# KiCad board poly_kb_molecule_8x5.kicad_pcb (continued)
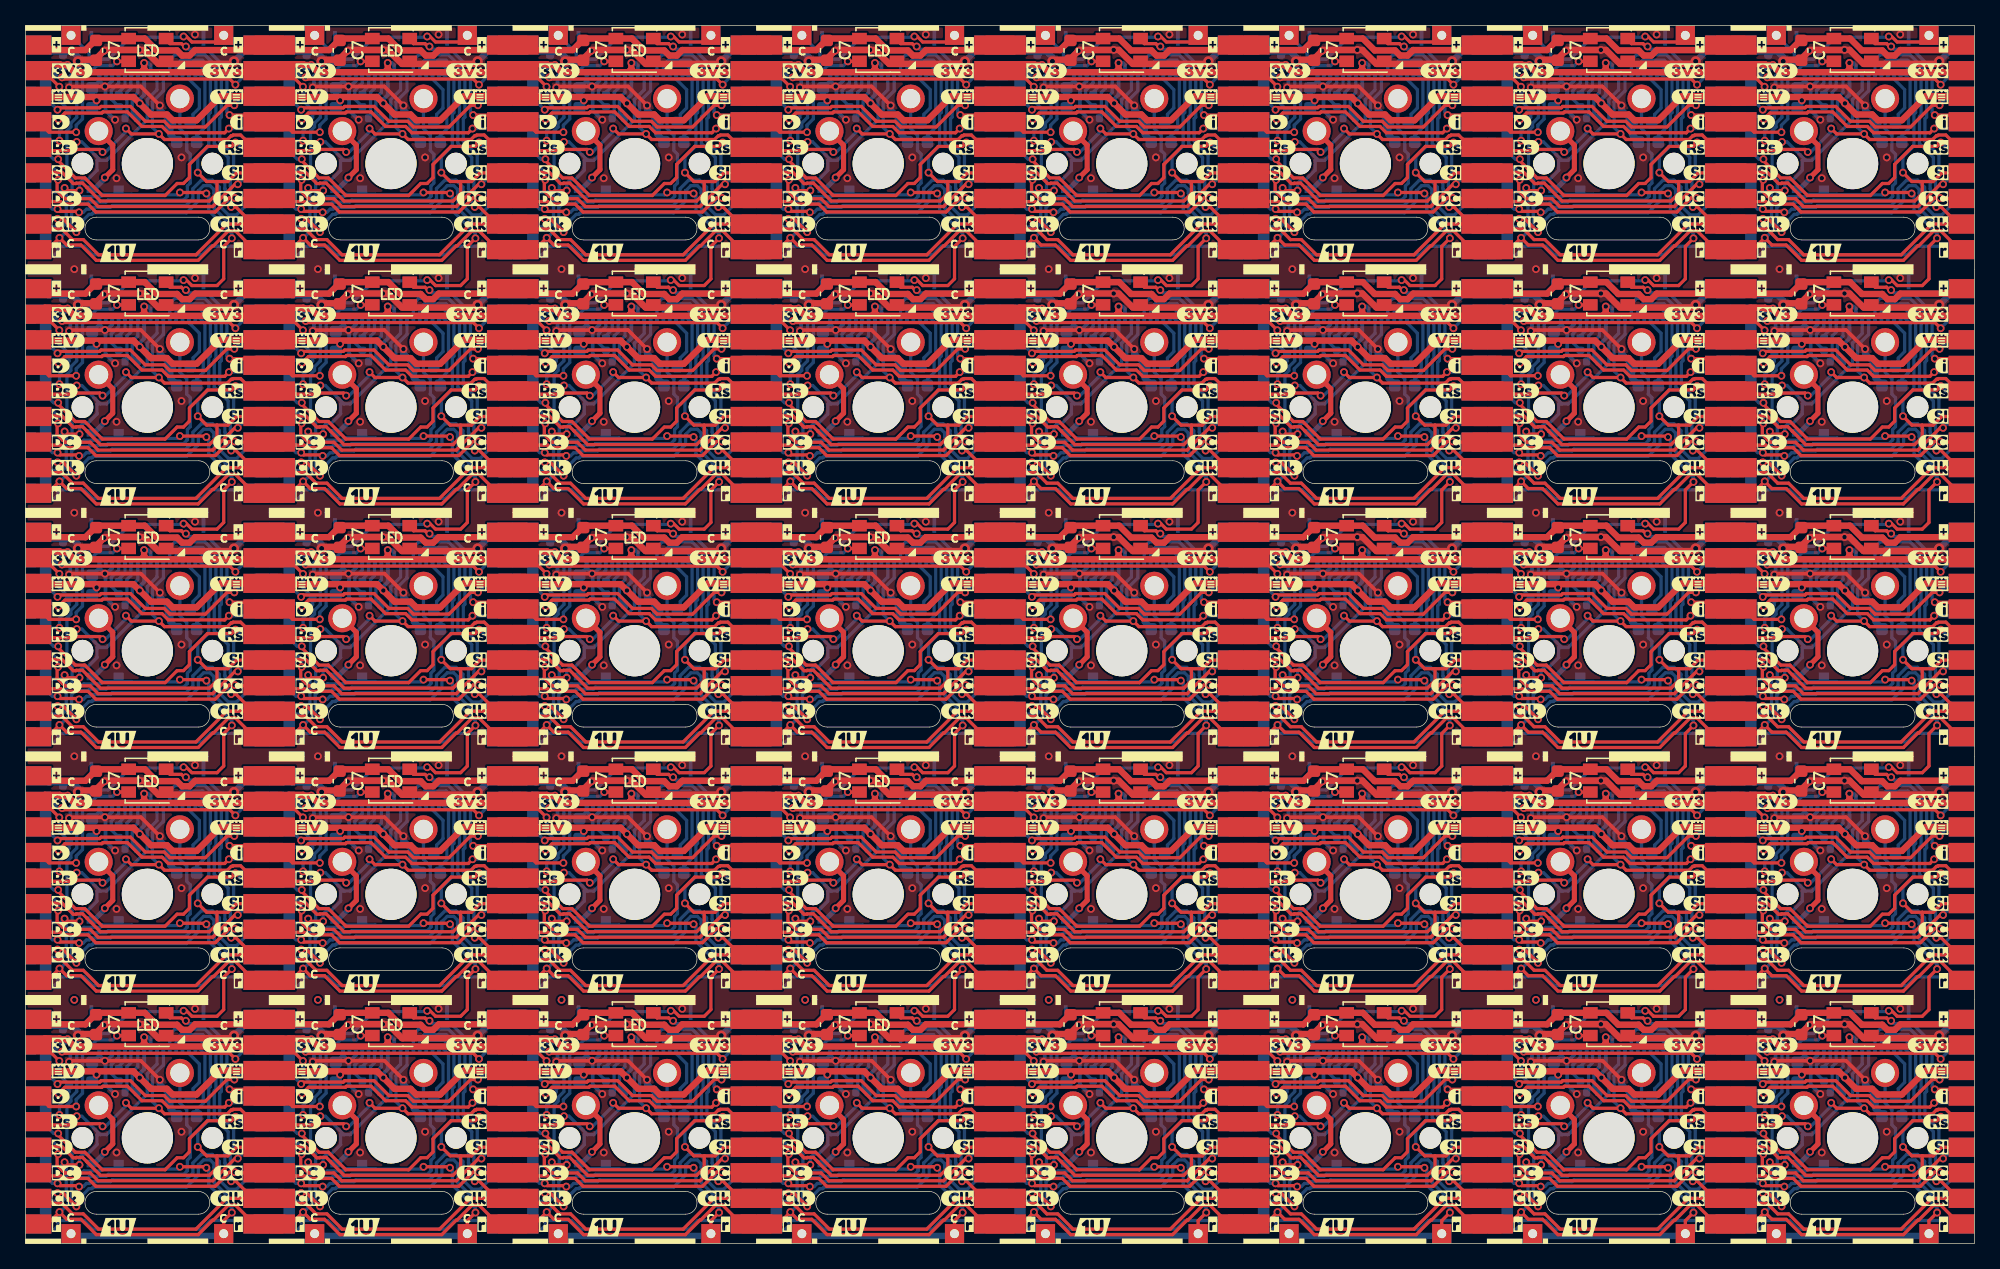
[diagram p0: board, top side]
## Routing (per net, layer and track width the routed paths; a pad name or vN(x,y) marks a point on that pad's centre or on a via; arc(x,y) is an arc through that point) (continued)
/Keyboard/sheet605ED2EB/D-C: length 1428.5
  Top w0.254: 39.37,43.62 39.61,43.38 40.84,43.38 41.04,43.18 42.98,43.18 43.59,42.57 52.93,42.57 54.03,43.67 v1(54.46,43.67) 54.51,43.62 55.88,43.62 ; 151.13,62.67 149.76,62.67 v1(149.71,62.72) 149.28,62.72 148.18,61.62 138.84,61.62 138.23,62.23 136.29,62.23 136.09,62.43 134.86,62.43 134.62,62.67 ; 39.37,24.58 39.61,24.33 40.84,24.33 41.04,24.13 42.98,24.13 43.59,23.52 52.93,23.52 54.03,24.62 v1(54.46,24.62) 54.51,24.58 55.88,24.58 ; 93.98,43.62 92.61,43.62 v1(92.56,43.67) 92.13,43.67 91.03,42.57 81.69,42.57 81.08,43.18 79.14,43.18 78.94,43.38 77.71,43.38 77.47,43.62 ; 77.47,24.58 77.71,24.33 78.94,24.33 79.14,24.13 81.08,24.13 81.69,23.52 91.03,23.52 92.13,24.62 v1(92.56,24.62) 92.61,24.58 93.98,24.58 ; 96.52,5.53 96.76,5.28 97.99,5.28 98.19,5.08 100.13,5.08 100.74,4.47 110.08,4.47 111.18,5.57 v1(111.61,5.57) 111.66,5.53 113.03,5.53 ; 151.13,81.72 149.76,81.72 v1(149.71,81.77) 149.28,81.77 148.18,80.67 138.84,80.67 138.23,81.28 136.29,81.28 136.09,81.48 134.86,81.48 134.62,81.72 ; 58.42,43.62 58.66,43.38 59.89,43.38 60.09,43.18 62.03,43.18 62.64,42.57 71.98,42.57 73.08,43.67 v1(73.51,43.67) 73.56,43.62 74.93,43.62 ; 115.57,62.67 115.81,62.43 117.04,62.43 117.24,62.23 119.18,62.23 119.79,61.62 129.13,61.62 130.23,62.72 v1(130.66,62.72) 130.71,62.67 132.08,62.67 ; 151.13,5.53 149.76,5.53 v1(149.71,5.57) 149.28,5.57 148.18,4.47 138.84,4.47 138.23,5.08 136.29,5.08 136.09,5.28 134.86,5.28 134.62,5.53 ; 20.32,24.58 20.56,24.33 21.79,24.33 21.99,24.13 23.93,24.13 24.54,23.52 33.88,23.52 34.98,24.62 v1(35.41,24.62) 35.46,24.58 36.83,24.58 ; 20.32,81.72 20.56,81.48 21.79,81.48 21.99,81.28 23.93,81.28 24.54,80.67 33.88,80.67 34.98,81.77 v1(35.41,81.77) 35.46,81.72 36.83,81.72 ; 74.93,62.67 73.56,62.67 v1(73.51,62.72) 73.08,62.72 71.98,61.62 62.64,61.62 62.03,62.23 60.09,62.23 59.89,62.43 58.66,62.43 58.42,62.67 ; 55.88,62.67 54.51,62.67 v1(54.46,62.72) 54.03,62.72 52.93,61.62 43.59,61.62 42.98,62.23 41.04,62.23 40.84,62.43 39.61,62.43 39.37,62.67 ; 58.42,81.72 58.66,81.48 59.89,81.48 60.09,81.28 62.03,81.28 62.64,80.67 71.98,80.67 73.08,81.77 v1(73.51,81.77) 73.56,81.72 74.93,81.72 ; 132.08,24.58 130.71,24.58 v1(130.66,24.62) 130.23,24.62 129.13,23.52 119.79,23.52 119.18,24.13 117.24,24.13 117.04,24.33 115.81,24.33 115.57,24.58 ; 132.08,5.53 130.71,5.53 v1(130.66,5.57) 130.23,5.57 129.13,4.47 119.79,4.47 119.18,5.08 117.24,5.08 117.04,5.28 115.81,5.28 115.57,5.53 ; 1.27,81.72 1.51,81.48 2.74,81.48 2.94,81.28 4.88,81.28 5.49,80.67 14.83,80.67 15.93,81.77 v1(16.36,81.77) 16.41,81.72 17.78,81.72 ; 17.78,24.58 16.41,24.58 v1(16.36,24.62) 15.93,24.62 14.83,23.52 5.49,23.52 4.88,24.13 2.94,24.13 2.74,24.33 1.51,24.33 1.27,24.58 ; 132.08,43.62 130.71,43.62 v1(130.66,43.67) 130.23,43.67 129.13,42.57 119.79,42.57 119.18,43.18 117.24,43.18 117.04,43.38 115.81,43.38 115.57,43.62 ; 36.83,62.67 35.46,62.67 v1(35.41,62.72) 34.98,62.72 33.88,61.62 24.54,61.62 23.93,62.23 21.99,62.23 21.79,62.43 20.56,62.43 20.32,62.67 ; 93.98,62.67 92.61,62.67 v1(92.56,62.72) 92.13,62.72 91.03,61.62 81.69,61.62 81.08,62.23 79.14,62.23 78.94,62.43 77.71,62.43 77.47,62.67 ; 113.03,62.67 111.66,62.67 v1(111.61,62.72) 111.18,62.72 110.08,61.62 100.74,61.62 100.13,62.23 98.19,62.23 97.99,62.43 96.76,62.43 96.52,62.67 ; 36.83,43.62 35.46,43.62 v1(35.41,43.67) 34.98,43.67 33.88,42.57 24.54,42.57 23.93,43.18 21.99,43.18 21.79,43.38 20.56,43.38 20.32,43.62 ; 151.13,24.58 149.76,24.58 v1(149.71,24.62) 149.28,24.62 148.18,23.52 138.84,23.52 138.23,24.13 136.29,24.13 136.09,24.33 134.86,24.33 134.62,24.58 ; 1.27,43.62 1.51,43.38 2.74,43.38 2.94,43.18 4.88,43.18 5.49,42.57 14.83,42.57 15.93,43.67 v1(16.36,43.67) 16.41,43.62 17.78,43.62 ; 77.47,5.53 77.71,5.28 78.94,5.28 79.14,5.08 81.08,5.08 81.69,4.47 91.03,4.47 92.13,5.57 v1(92.56,5.57) 92.61,5.53 93.98,5.53 ; 74.93,5.53 73.56,5.53 v1(73.51,5.57) 73.08,5.57 71.98,4.47 62.64,4.47 62.03,5.08 60.09,5.08 59.89,5.28 58.66,5.28 58.42,5.53 ; 115.57,81.72 115.81,81.48 117.04,81.48 117.24,81.28 119.18,81.28 119.79,80.67 129.13,80.67 130.23,81.77 v1(130.66,81.77) 130.71,81.72 132.08,81.72 ; 36.83,5.53 35.46,5.53 v1(35.41,5.57) 34.98,5.57 33.88,4.47 24.54,4.47 23.93,5.08 21.99,5.08 21.79,5.28 20.56,5.28 20.32,5.53 ; 55.88,81.72 54.51,81.72 v1(54.46,81.77) 54.03,81.77 52.93,80.67 43.59,80.67 42.98,81.28 41.04,81.28 40.84,81.48 39.61,81.48 39.37,81.72 ; 113.03,24.58 111.66,24.58 v1(111.61,24.62) 111.18,24.62 110.08,23.52 100.74,23.52 100.13,24.13 98.19,24.13 97.99,24.33 96.76,24.33 96.52,24.58 ; 93.98,81.72 92.61,81.72 v1(92.56,81.77) 92.13,81.77 91.03,80.67 81.69,80.67 81.08,81.28 79.14,81.28 78.94,81.48 77.71,81.48 77.47,81.72 ; 96.52,43.62 96.76,43.38 97.99,43.38 98.19,43.18 100.13,43.18 100.74,42.57 110.08,42.57 111.18,43.67 v1(111.61,43.67) 111.66,43.62 113.03,43.62 ; 151.13,43.62 149.76,43.62 v1(149.71,43.67) 149.28,43.67 148.18,42.57 138.84,42.57 138.23,43.18 136.29,43.18 136.09,43.38 134.86,43.38 134.62,43.62 ; 74.93,24.58 73.56,24.58 v1(73.51,24.62) 73.08,24.62 71.98,23.52 62.64,23.52 62.03,24.13 60.09,24.13 59.89,24.33 58.66,24.33 58.42,24.58 ; 55.88,5.53 54.51,5.53 v1(54.46,5.57) 54.03,5.57 52.93,4.47 43.59,4.47 42.98,5.08 41.04,5.08 40.84,5.28 39.61,5.28 39.37,5.53 ; 1.27,5.53 1.51,5.28 2.74,5.28 2.94,5.08 4.88,5.08 5.49,4.47 14.83,4.47 15.93,5.57 v1(16.36,5.57) 16.41,5.53 17.78,5.53 ; 1.27,62.67 1.51,62.43 2.74,62.43 2.94,62.23 4.88,62.23 5.49,61.62 14.83,61.62 15.93,62.72 v1(16.36,62.72) 16.41,62.67 17.78,62.67 ; 96.52,81.72 96.76,81.48 97.99,81.48 98.19,81.28 100.13,81.28 100.74,80.67 110.08,80.67 111.18,81.77 v1(111.61,81.77) 111.66,81.72 113.03,81.72
  Top w1.5: J4#25.7 J3#21.7 ; J4#29.7 J3#7.7 ; J4#36.7 J3#16.7 ; J4#35.7 J3#14.7 ; J4#9.7 J3#25.7 ; J4#16.7 J3#31.7 ; J4#8.7 J3#2.7 ; J4#18.7 J3#4.7 ; J4#2.7 J3#6.7 ; J4#33.7 J3#28.7 ; J4#10.7 J3#20.7 ; J4#40.7 J3#38.7 ; J4#22.7 J3#10.7 ; J4#17.7 J3#36.7 ; J4#34.7 J3#30.7 ; J4#23.7 J3#12.7 ; J4#19.7 J3#32.7 ; J4#24.7 J3#26.7 ; J4#4.7 J3#24.7 ; J4#38.7 J3#39.7 ; J4#14.7 J3#8.7 ; J4#12.7 J3#34.7 ; J4#5.7 J3#13.7 ; J4#3.7 J3#23.7 ; J4#21.7 J3#5.7 ; J4#28.7 J3#22.7 ; J4#15.7 J3#18.7 ; J4#30.7 J3#37.7 ; J4#26.7 J3#40.7 ; J4#6.7 J3#33.7 ; J4.7 J3#19.7 ; J4#37.7 J3#27.7 ; J4#27.7 J3#11.7 ; J4#11.7 J3#3.7 ; J4#13.7 J3#35.7
  Bottom w0.254: v1(16.36,81.77) 16.04,82.09 16.04,82.64 16.01,82.67 16.01,83.25 16.27,83.51 16.27,85.12 15.18,86.2 15.18,87.96 15.31,88.09 15.31,91.67 15.18,91.8 15.18,91.8 14.02,92.96 11.68,92.96 11.27,92.56 J1.12 ; v1(130.66,81.77) 130.34,82.09 130.34,82.64 130.31,82.67 130.31,83.25 130.57,83.51 130.57,85.12 129.48,86.2 129.48,87.96 129.61,88.09 129.61,91.67 129.48,91.8 129.48,91.8 128.32,92.96 125.98,92.96 125.57,92.56 J1#26.12 ; v1(92.56,62.72) 92.24,63.04 92.24,63.59 92.21,63.62 92.21,64.2 92.47,64.46 92.47,66.07 91.38,67.15 91.38,68.91 91.51,69.04 91.51,72.62 91.38,72.75 91.38,72.75 90.22,73.91 87.88,73.91 87.47,73.5 J1#36.12 ; v1(92.56,24.62) 92.24,24.94 92.24,25.49 92.21,25.52 92.21,26.1 92.47,26.36 92.47,27.97 91.38,29.05 91.38,30.81 91.51,30.94 91.51,34.52 91.38,34.65 91.38,34.65 90.22,35.81 87.88,35.81 87.47,35.41 J1#37.12 ; J1#23.12 30.33,54.45 30.73,54.86 33.07,54.86 34.23,53.7 34.23,53.7 34.36,53.57 34.36,49.99 34.23,49.86 34.23,48.1 35.32,47.02 35.32,45.41 35.06,45.15 35.06,44.57 35.09,44.54 35.09,43.99 v1(35.41,43.67) ; v1(54.46,81.77) 54.14,82.09 54.14,82.64 54.11,82.67 54.11,83.25 54.37,83.51 54.37,85.12 53.28,86.2 53.28,87.96 53.41,88.09 53.41,91.67 53.28,91.8 53.28,91.8 52.12,92.96 49.78,92.96 49.38,92.56 J1#10.12 ; J1#2.12 30.33,35.41 30.73,35.81 33.07,35.81 34.23,34.65 34.23,34.65 34.36,34.52 34.36,30.94 34.23,30.81 34.23,29.05 35.32,27.97 35.32,26.36 35.06,26.1 35.06,25.52 35.09,25.49 35.09,24.94 v1(35.41,24.62) ; v1(54.46,62.72) 54.14,63.04 54.14,63.59 54.11,63.62 54.11,64.2 54.37,64.46 54.37,66.07 53.28,67.15 53.28,68.91 53.41,69.04 53.41,72.62 53.28,72.75 53.28,72.75 52.12,73.91 49.78,73.91 49.38,73.5 J1#4.12 ; v1(130.66,43.67) 130.34,43.99 130.34,44.54 130.31,44.57 130.31,45.15 130.57,45.41 130.57,47.02 129.48,48.1 129.48,49.86 129.61,49.99 129.61,53.57 129.48,53.7 129.48,53.7 128.32,54.86 125.98,54.86 125.57,54.45 J1#19.12 ; v1(92.56,5.57) 92.24,5.89 92.24,6.44 92.21,6.47 92.21,7.05 92.47,7.31 92.47,8.92 91.38,10 91.38,11.76 91.51,11.89 91.51,15.47 91.38,15.6 91.38,15.6 90.22,16.76 87.88,16.76 87.47,16.35 J1#25.12 ; J1#11.12 144.62,54.45 145.03,54.86 147.37,54.86 148.53,53.7 148.53,53.7 148.66,53.57 148.66,49.99 148.53,49.86 148.53,48.1 149.62,47.02 149.62,45.41 149.36,45.15 149.36,44.57 149.39,44.54 149.39,43.99 v1(149.71,43.67) ; J1#31.12 106.53,16.35 106.93,16.76 109.27,16.76 110.43,15.6 110.43,15.6 110.56,15.47 110.56,11.89 110.43,11.76 110.43,10 111.52,8.92 111.52,7.31 111.26,7.05 111.26,6.47 111.29,6.44 111.29,5.89 v1(111.61,5.57) ; J1#39.12 11.27,73.5 11.68,73.91 14.02,73.91 15.18,72.75 15.18,72.75 15.31,72.62 15.31,69.04 15.18,68.91 15.18,67.15 16.27,66.07 16.27,64.46 16.01,64.2 16.01,63.62 16.04,63.59 16.04,63.04 v1(16.36,62.72) ; v1(35.41,62.72) 35.09,63.04 35.09,63.59 35.06,63.62 35.06,64.2 35.32,64.46 35.32,66.07 34.23,67.15 34.23,68.91 34.36,69.04 34.36,72.62 34.23,72.75 34.23,72.75 33.07,73.91 30.73,73.91 30.33,73.5 J1#30.12 ; J1#32.12 144.62,92.56 145.03,92.96 147.37,92.96 148.53,91.8 148.53,91.8 148.66,91.67 148.66,88.09 148.53,87.96 148.53,86.2 149.62,85.12 149.62,83.51 149.36,83.25 149.36,82.67 149.39,82.64 149.39,82.09 v1(149.71,81.77) ; v1(111.61,62.72) 111.29,63.04 111.29,63.59 111.26,63.62 111.26,64.2 111.52,64.46 111.52,66.07 110.43,67.15 110.43,68.91 110.56,69.04 110.56,72.62 110.43,72.75 110.43,72.75 109.27,73.91 106.93,73.91 106.53,73.5 J1#17.12 ; v1(73.51,24.62) 73.19,24.94 73.19,25.49 73.16,25.52 73.16,26.1 73.42,26.36 73.42,27.97 72.33,29.05 72.33,30.81 72.46,30.94 72.46,34.52 72.33,34.65 72.33,34.65 71.17,35.81 68.83,35.81 68.42,35.41 J1#3.12 ; J1#13.12 30.33,16.35 30.73,16.76 33.07,16.76 34.23,15.6 34.23,15.6 34.36,15.47 34.36,11.89 34.23,11.76 34.23,10 35.32,8.92 35.32,7.31 35.06,7.05 35.06,6.47 35.09,6.44 35.09,5.89 v1(35.41,5.57) ; J1#33.12 68.42,73.5 68.83,73.91 71.17,73.91 72.33,72.75 72.33,72.75 72.46,72.62 72.46,69.04 72.33,68.91 72.33,67.15 73.42,66.07 73.42,64.46 73.16,64.2 73.16,63.62 73.19,63.59 73.19,63.04 v1(73.51,62.72) ; v1(73.51,81.77) 73.19,82.09 73.19,82.64 73.16,82.67 73.16,83.25 73.42,83.51 73.42,85.12 72.33,86.2 72.33,87.96 72.46,88.09 72.46,91.67 72.33,91.8 72.33,91.8 71.17,92.96 68.83,92.96 68.42,92.56 J1#18.12 ; J1#9.12 11.27,54.45 11.68,54.86 14.02,54.86 15.18,53.7 15.18,53.7 15.31,53.57 15.31,49.99 15.18,49.86 15.18,48.1 16.27,47.02 16.27,45.41 16.01,45.15 16.01,44.57 16.04,44.54 16.04,43.99 v1(16.36,43.67) ; J1#27.12 49.38,16.35 49.78,16.76 52.12,16.76 53.28,15.6 53.28,15.6 53.41,15.47 53.41,11.89 53.28,11.76 53.28,10 54.37,8.92 54.37,7.31 54.11,7.05 54.11,6.47 54.14,6.44 54.14,5.89 v1(54.46,5.57) ; J1#28.12 144.62,35.41 145.03,35.81 147.37,35.81 148.53,34.65 148.53,34.65 148.66,34.52 148.66,30.94 148.53,30.81 148.53,29.05 149.62,27.97 149.62,26.36 149.36,26.1 149.36,25.52 149.39,25.49 149.39,24.94 v1(149.71,24.62) ; J1#7.12 106.53,54.45 106.93,54.86 109.27,54.86 110.43,53.7 110.43,53.7 110.56,53.57 110.56,49.99 110.43,49.86 110.43,48.1 111.52,47.02 111.52,45.41 111.26,45.15 111.26,44.57 111.29,44.54 111.29,43.99 v1(111.61,43.67) ; J1#22.12 11.27,16.35 11.68,16.76 14.02,16.76 15.18,15.6 15.18,15.6 15.31,15.47 15.31,11.89 15.18,11.76 15.18,10 16.27,8.92 16.27,7.31 16.01,7.05 16.01,6.47 16.04,6.44 16.04,5.89 v1(16.36,5.57) ; J1#34.12 49.38,35.41 49.78,35.81 52.12,35.81 53.28,34.65 53.28,34.65 53.41,34.52 53.41,30.94 53.28,30.81 53.28,29.05 54.37,27.97 54.37,26.36 54.11,26.1 54.11,25.52 54.14,25.49 54.14,24.94 v1(54.46,24.62) ; v1(149.71,5.57) 149.39,5.89 149.39,6.44 149.36,6.47 149.36,7.05 149.62,7.31 149.62,8.92 148.53,10 148.53,11.76 148.66,11.89 148.66,15.47 148.53,15.6 148.53,15.6 147.37,16.76 145.03,16.76 144.62,16.35 J1#15.12 ; J1#8.12 125.57,16.35 125.98,16.76 128.32,16.76 129.48,15.6 129.48,15.6 129.61,15.47 129.61,11.89 129.48,11.76 129.48,10 130.57,8.92 130.57,7.31 130.31,7.05 130.31,6.47 130.34,6.44 130.34,5.89 v1(130.66,5.57) ; v1(73.51,43.67) 73.19,43.99 73.19,44.54 73.16,44.57 73.16,45.15 73.42,45.41 73.42,47.02 72.33,48.1 72.33,49.86 72.46,49.99 72.46,53.57 72.33,53.7 72.33,53.7 71.17,54.86 68.83,54.86 68.42,54.45 J1#35.12 ; J1#21.12 87.47,54.45 87.88,54.86 90.22,54.86 91.38,53.7 91.38,53.7 91.51,53.57 91.51,49.99 91.38,49.86 91.38,48.1 92.47,47.02 92.47,45.41 92.21,45.15 92.21,44.57 92.24,44.54 92.24,43.99 v1(92.56,43.67) ; J1#40.12 106.53,35.41 106.93,35.81 109.27,35.81 110.43,34.65 110.43,34.65 110.56,34.52 110.56,30.94 110.43,30.81 110.43,29.05 111.52,27.97 111.52,26.36 111.26,26.1 111.26,25.52 111.29,25.49 111.29,24.94 v1(111.61,24.62) ; v1(73.51,5.57) 73.19,5.89 73.19,6.44 73.16,6.47 73.16,7.05 73.42,7.31 73.42,8.92 72.33,10 72.33,11.76 72.46,11.89 72.46,15.47 72.33,15.6 72.33,15.6 71.17,16.76 68.83,16.76 68.42,16.35 J1#29.12 ; J1#5.12 125.57,35.41 125.98,35.81 128.32,35.81 129.48,34.65 129.48,34.65 129.61,34.52 129.61,30.94 129.48,30.81 129.48,29.05 130.57,27.97 130.57,26.36 130.31,26.1 130.31,25.52 130.34,25.49 130.34,24.94 v1(130.66,24.62) ; v1(54.46,43.67) 54.14,43.99 54.14,44.54 54.11,44.57 54.11,45.15 54.37,45.41 54.37,47.02 53.28,48.1 53.28,49.86 53.41,49.99 53.41,53.57 53.28,53.7 53.28,53.7 52.12,54.86 49.78,54.86 49.38,54.45 J1#12.12 ; v1(92.56,81.77) 92.24,82.09 92.24,82.64 92.21,82.67 92.21,83.25 92.47,83.51 92.47,85.12 91.38,86.2 91.38,87.96 91.51,88.09 91.51,91.67 91.38,91.8 91.38,91.8 90.22,92.96 87.88,92.96 87.47,92.56 J1#14.12 ; J1#38.12 106.53,92.56 106.93,92.96 109.27,92.96 110.43,91.8 110.43,91.8 110.56,91.67 110.56,88.09 110.43,87.96 110.43,86.2 111.52,85.12 111.52,83.51 111.26,83.25 111.26,82.67 111.29,82.64 111.29,82.09 v1(111.61,81.77) ; v1(16.36,24.62) 16.04,24.94 16.04,25.49 16.01,25.52 16.01,26.1 16.27,26.36 16.27,27.97 15.18,29.05 15.18,30.81 15.31,30.94 15.31,34.52 15.18,34.65 15.18,34.65 14.02,35.81 11.68,35.81 11.27,35.41 J1#6.12 ; v1(130.66,62.72) 130.34,63.04 130.34,63.59 130.31,63.62 130.31,64.2 130.57,64.46 130.57,66.07 129.48,67.15 129.48,68.91 129.61,69.04 129.61,72.62 129.48,72.75 129.48,72.75 128.32,73.91 125.98,73.91 125.57,73.5 J1#20.12 ; v1(35.41,81.77) 35.09,82.09 35.09,82.64 35.06,82.67 35.06,83.25 35.32,83.51 35.32,85.12 34.23,86.2 34.23,87.96 34.36,88.09 34.36,91.67 34.23,91.8 34.23,91.8 33.07,92.96 30.73,92.96 30.33,92.56 J1#24.12 ; J1#16.12 144.62,73.5 145.03,73.91 147.37,73.91 148.53,72.75 148.53,72.75 148.66,72.62 148.66,69.04 148.53,68.91 148.53,67.15 149.62,66.07 149.62,64.46 149.36,64.2 149.36,63.62 149.39,63.59 149.39,63.04 v1(149.71,62.72)
/Keyboard/sheet605ED2EB/KeyCol: length 1769.5
  Top w0.254: v1(130.43,78.61) 129.79,77.98 129.79,75.44 129.27,74.92 127.31,74.92 126.88,75.34 v1(126.65,75.34) ; v1(31.4,37.24) 31.63,37.24 32.06,36.82 34.02,36.82 34.54,37.34 34.54,39.88 v1(35.18,40.51) ; v1(126.65,56.29) 126.88,56.29 127.31,55.87 129.27,55.87 129.79,56.39 129.79,58.93 v1(130.43,59.56) ; v1(71.29,24.97) 71.21,25.04 v1(69.22,25.04) ; v1(50.17,5.99) 52.16,5.99 v1(52.24,5.92) ; v1(107.32,82.19) 109.31,82.19 v1(109.39,82.12) ; J9#4.1 72.64,1.78 v1(73.28,2.41) ; v1(107.6,37.24) 107.83,37.24 108.26,36.82 110.22,36.82 110.74,37.34 110.74,39.88 v1(111.38,40.51) ; J9#2.1 148.84,1.78 v1(149.48,2.41) ; v1(73.28,40.51) 72.64,39.88 72.64,37.34 72.12,36.82 70.16,36.82 69.73,37.24 v1(69.5,37.24) ; v1(31.4,56.29) 31.63,56.29 32.06,55.87 34.02,55.87 34.54,56.39 34.54,58.93 v1(35.18,59.56) ; v1(16.13,40.51) 15.49,39.88 15.49,37.34 14.97,36.82 13.01,36.82 12.58,37.24 v1(12.35,37.24) ; v1(54.23,2.41) 53.59,1.78 J9#7.1 ; J9.1 91.69,1.78 v1(92.33,2.41) ; v1(126.37,25.04) 128.36,25.04 v1(128.44,24.97) ; v1(52.24,63.07) 52.16,63.14 v1(50.17,63.14) ; v1(92.33,59.56) 91.69,58.93 91.69,56.39 91.17,55.87 89.21,55.87 88.78,56.29 v1(88.55,56.29) ; v1(109.39,44.02) 109.31,44.09 v1(107.32,44.09) ; J2#6.1 110.22,93.97 108.26,93.97 107.83,94.39 v1(107.6,94.39) ; v1(149.48,59.56) 148.84,58.93 148.84,56.39 148.32,55.87 146.36,55.87 145.93,56.29 v1(145.7,56.29) ; v1(54.23,40.51) 53.59,39.88 53.59,37.34 53.07,36.82 51.11,36.82 50.68,37.24 v1(50.45,37.24) ; J9#6.1 110.74,1.78 v1(111.38,2.41) ; v1(88.27,5.99) 90.26,5.99 v1(90.34,5.92) ; v1(145.7,94.39) 145.93,94.39 146.36,93.97 148.32,93.97 J2#3.1 ; v1(50.45,94.39) 50.68,94.39 51.11,93.97 53.07,93.97 J2#5.1 ; v1(109.39,5.92) 109.31,5.99 v1(107.32,5.99) ; J2#8.1 91.17,93.97 89.21,93.97 88.78,94.39 v1(88.55,94.39) ; v1(88.55,18.19) 88.78,18.19 89.21,17.77 91.17,17.77 91.69,18.29 91.69,20.83 v1(92.33,21.46) ; v1(35.18,78.61) 34.54,77.98 34.54,75.44 34.02,74.92 32.06,74.92 31.63,75.34 v1(31.4,75.34) ; v1(31.12,44.09) 33.11,44.09 v1(33.19,44.02) ; v1(126.37,63.14) 128.36,63.14 v1(128.44,63.07) ; v1(16.13,78.61) 15.49,77.98 15.49,75.44 14.97,74.92 13.01,74.92 12.58,75.34 v1(12.35,75.34) ; v1(12.35,18.19) 12.58,18.19 13.01,17.77 14.97,17.77 15.49,18.29 15.49,20.83 v1(16.13,21.46) ; v1(52.24,24.97) 52.16,25.04 v1(50.17,25.04) ; v1(109.39,63.07) 109.31,63.14 v1(107.32,63.14) ; v1(147.49,82.12) 147.41,82.19 v1(145.42,82.19) ; v1(71.29,44.02) 71.21,44.09 v1(69.22,44.09) ; v1(50.17,82.19) 52.16,82.19 v1(52.24,82.12) ; v1(88.27,44.09) 90.26,44.09 v1(90.34,44.02) ; v1(126.65,37.24) 126.88,37.24 127.31,36.82 129.27,36.82 129.79,37.34 129.79,39.88 v1(130.43,40.51) ; v1(145.7,37.24) 145.93,37.24 146.36,36.82 148.32,36.82 148.84,37.34 148.84,39.88 v1(149.48,40.51) ; v1(54.23,59.56) 53.59,58.93 53.59,56.39 53.07,55.87 51.11,55.87 50.68,56.29 v1(50.45,56.29) ; v1(88.27,25.04) 90.26,25.04 v1(90.34,24.97) ; v1(31.12,25.04) 33.11,25.04 v1(33.19,24.97) ; J2#7.1 129.27,93.97 127.31,93.97 126.88,94.39 v1(126.65,94.39) ; v1(88.27,63.14) 90.26,63.14 v1(90.34,63.07) ; v1(147.49,44.02) 147.41,44.09 v1(145.42,44.09) ; v1(111.38,59.56) 110.74,58.93 110.74,56.39 110.22,55.87 108.26,55.87 107.83,56.29 v1(107.6,56.29) ; v1(54.23,78.61) 53.59,77.98 53.59,75.44 53.07,74.92 51.11,74.92 50.68,75.34 v1(50.45,75.34) ; v1(107.32,25.04) 109.31,25.04 v1(109.39,24.97) ; v1(33.19,5.92) 33.11,5.99 v1(31.12,5.99) ; v1(145.42,63.14) 147.41,63.14 v1(147.49,63.07) ; v1(31.4,18.19) 31.63,18.19 32.06,17.77 34.02,17.77 34.54,18.29 34.54,20.83 v1(35.18,21.46) ; J2.1 14.97,93.97 13.01,93.97 12.58,94.39 v1(12.35,94.39) ; v1(145.7,18.19) 145.93,18.19 146.36,17.77 148.32,17.77 148.84,18.29 148.84,20.83 v1(149.48,21.46) ; v1(147.49,24.97) 147.41,25.04 v1(145.42,25.04) ; v1(31.12,63.14) 33.11,63.14 v1(33.19,63.07) ; v1(52.24,44.02) 52.16,44.09 v1(50.17,44.09) ; v1(73.28,21.46) 72.64,20.83 72.64,18.29 72.12,17.77 70.16,17.77 69.73,18.19 v1(69.5,18.19) ; v1(88.55,37.24) 88.78,37.24 89.21,36.82 91.17,36.82 91.69,37.34 91.69,39.88 v1(92.33,40.51) ; v1(149.48,78.61) 148.84,77.98 148.84,75.44 148.32,74.92 146.36,74.92 145.93,75.34 v1(145.7,75.34) ; v1(107.6,75.34) 107.83,75.34 108.26,74.92 110.22,74.92 110.74,75.44 110.74,77.98 v1(111.38,78.61) ; J9#8.1 34.54,1.78 v1(35.18,2.41) ; v1(69.22,82.19) 71.21,82.19 v1(71.29,82.12) ; v1(88.55,75.34) 88.78,75.34 89.21,74.92 91.17,74.92 91.69,75.44 91.69,77.98 v1(92.33,78.61) ; v1(126.37,44.09) 128.36,44.09 v1(128.44,44.02) ; v1(12.07,5.99) 14.06,5.99 v1(14.14,5.92) ; v1(128.44,5.92) 128.36,5.99 v1(126.37,5.99) ; v1(12.35,56.29) 12.58,56.29 13.01,55.87 14.97,55.87 15.49,56.39 15.49,58.93 v1(16.13,59.56) ; v1(69.5,75.34) 69.73,75.34 70.16,74.92 72.12,74.92 72.64,75.44 72.64,77.98 v1(73.28,78.61) ; v1(88.27,82.19) 90.26,82.19 v1(90.34,82.12) ; v1(130.43,21.46) 129.79,20.83 129.79,18.29 129.27,17.77 127.31,17.77 126.88,18.19 v1(126.65,18.19) ; J9#5.1 15.49,1.78 v1(16.13,2.41) ; v1(54.23,21.46) 53.59,20.83 53.59,18.29 53.07,17.77 51.11,17.77 50.68,18.19 v1(50.45,18.19) ; v1(71.29,63.07) 71.21,63.14 v1(69.22,63.14) ; v1(71.29,5.92) 71.21,5.99 v1(69.22,5.99) ; v1(12.07,25.04) 14.06,25.04 v1(14.14,24.97) ; v1(107.6,18.19) 107.83,18.19 108.26,17.77 110.22,17.77 110.74,18.29 110.74,20.83 v1(111.38,21.46) ; v1(12.07,63.14) 14.06,63.14 v1(14.14,63.07) ; v1(12.07,82.19) 14.06,82.19 v1(14.14,82.12) ; v1(69.5,94.39) 69.73,94.39 70.16,93.97 72.12,93.97 J2#4.1 ; v1(130.43,2.41) 129.79,1.78 J9#3.1 ; v1(31.4,94.39) 31.63,94.39 32.06,93.97 34.02,93.97 J2#2.1 ; v1(128.44,82.12) 128.36,82.19 v1(126.37,82.19) ; v1(69.5,56.29) 69.73,56.29 70.16,55.87 72.12,55.87 72.64,56.39 72.64,58.93 v1(73.28,59.56) ; v1(33.19,82.12) 33.11,82.19 v1(31.12,82.19) ; v1(147.49,5.92) 147.41,5.99 v1(145.42,5.99) ; v1(14.14,44.02) 14.06,44.09 v1(12.07,44.09)
  Bottom w0.25: 65.49,43.91 65.45,43.95 63.16,43.95 63.12,43.91 ; 141.69,24.86 141.65,24.9 139.36,24.9 139.32,24.86 ; 82.17,82.01 82.21,82.05 84.5,82.05 84.54,82.01 ; 84.54,43.91 84.5,43.95 82.21,43.95 82.17,43.91 ; 5.97,5.81 6.01,5.85 8.3,5.85 8.34,5.81 ; 63.12,62.96 63.16,63 65.45,63 65.49,62.96 ; 122.64,5.81 122.6,5.85 120.31,5.85 120.27,5.81 ; 82.17,5.81 82.21,5.85 84.5,5.85 84.54,5.81 ; 65.49,5.81 65.45,5.85 63.16,5.85 63.12,5.81 ; 27.39,43.91 27.35,43.95 25.06,43.95 25.02,43.91 ; 8.34,43.91 8.3,43.95 6.01,43.95 5.97,43.91 ; 139.32,82.01 139.36,82.05 141.65,82.05 141.69,82.01 ; 25.02,24.86 25.06,24.9 27.35,24.9 27.39,24.86 ; 103.59,82.01 103.55,82.05 101.26,82.05 101.22,82.01 ; 27.39,62.96 27.35,63 25.06,63 25.02,62.96 ; 120.27,43.91 120.31,43.95 122.6,43.95 122.64,43.91 ; 101.22,43.91 101.26,43.95 103.55,43.95 103.59,43.91 ; 122.64,62.96 122.6,63 120.31,63 120.27,62.96 ; 141.69,43.91 141.65,43.95 139.36,43.95 139.32,43.91 ; 25.02,82.01 25.06,82.05 27.35,82.05 27.39,82.01 ; 46.44,43.91 46.4,43.95 44.11,43.95 44.07,43.91 ; 103.59,5.81 103.55,5.85 101.26,5.85 101.22,5.81 ; 5.97,82.01 6.01,82.05 8.3,82.05 8.34,82.01 ; 25.02,5.81 25.06,5.85 27.35,5.85 27.39,5.81 ; 82.17,62.96 82.21,63 84.5,63 84.54,62.96 ; 82.17,24.86 82.21,24.9 84.5,24.9 84.54,24.86 ; 101.22,62.96 101.26,63 103.55,63 103.59,62.96 ; 120.27,24.86 120.31,24.9 122.6,24.9 122.64,24.86 ; 46.44,24.86 46.4,24.9 44.11,24.9 44.07,24.86 ; 65.49,24.86 65.45,24.9 63.16,24.9 63.12,24.86 ; 5.97,24.86 6.01,24.9 8.3,24.9 8.34,24.86 ; 44.07,5.81 44.11,5.85 46.4,5.85 46.44,5.81 ; 63.12,82.01 63.16,82.05 65.45,82.05 65.49,82.01 ; 139.32,62.96 139.36,63 141.65,63 141.69,62.96 ; 141.69,5.81 141.65,5.85 139.36,5.85 139.32,5.81 ; 122.64,82.01 122.6,82.05 120.31,82.05 120.27,82.01 ; 8.34,62.96 8.3,63 6.01,63 5.97,62.96 ; 46.44,82.01 46.4,82.05 44.11,82.05 44.07,82.01 ; 101.22,24.86 101.26,24.9 103.55,24.9 103.59,24.86 ; 44.07,62.96 44.11,63 46.4,63 46.44,62.96